# KiCad board 2x2RemotePanel.kicad_pcb (continued)
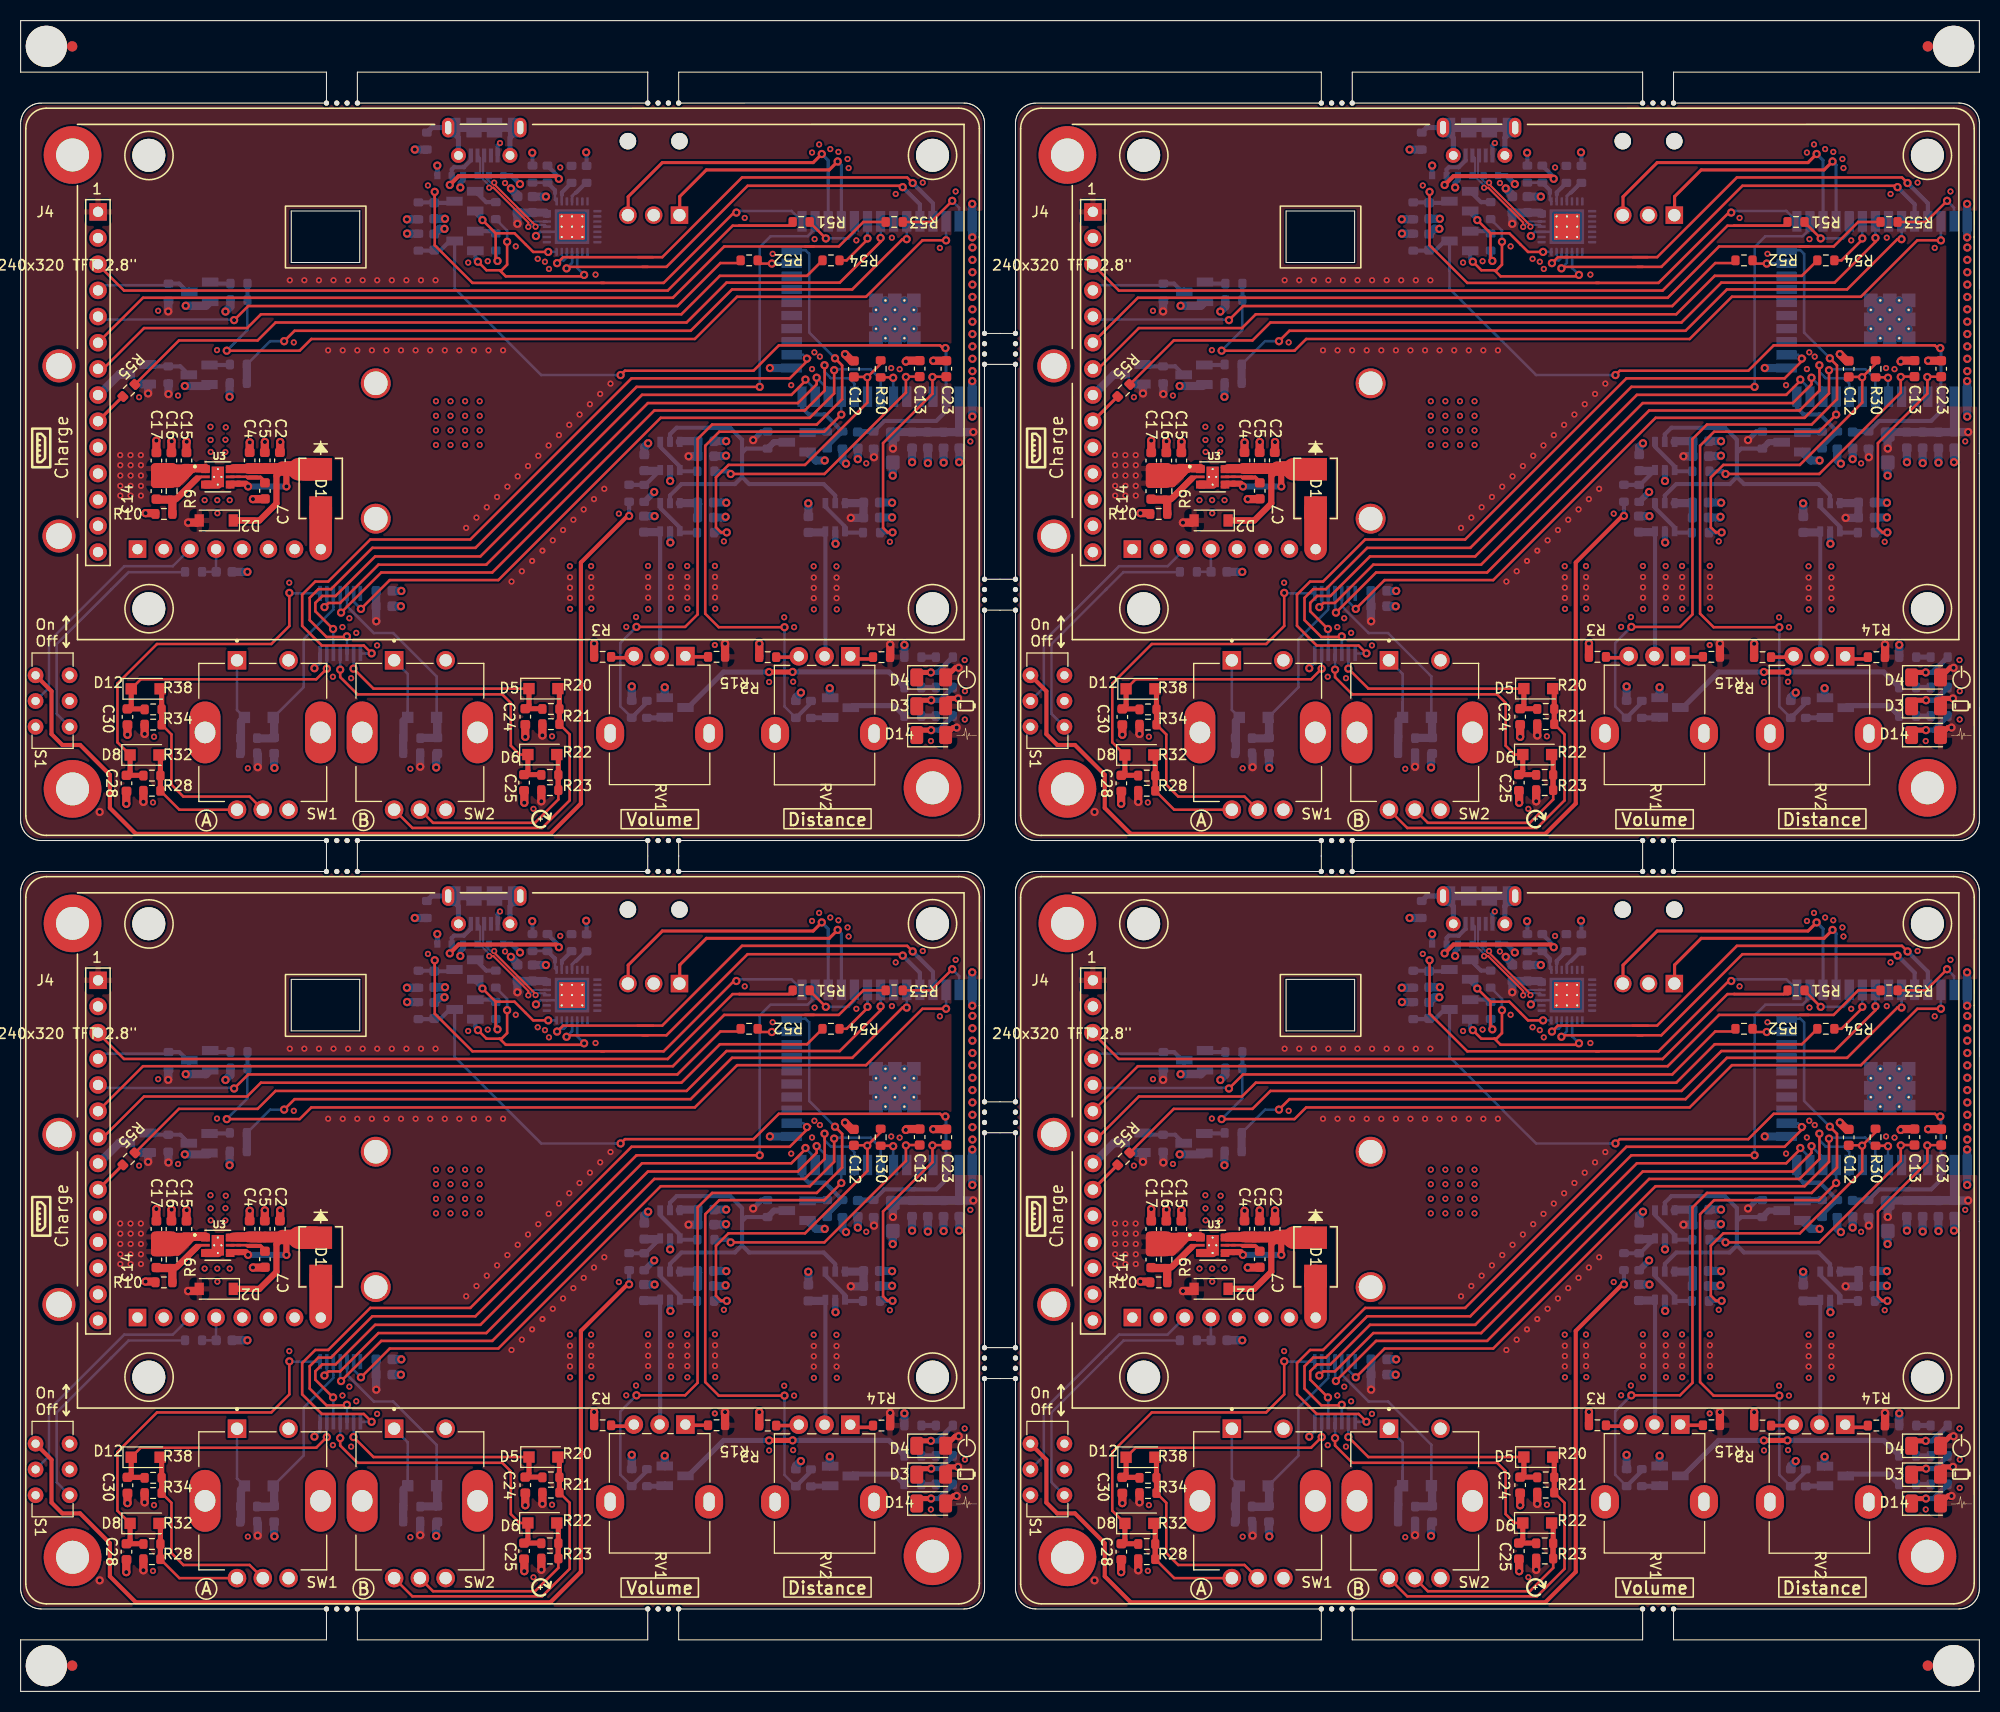
[diagram p0: board, top side]
## Routing (per net, layer and track width the routed paths; a pad name or vN(x,y) marks a point on that pad's centre or on a via; arc(x,y) is an arc through that point) (continued)
Board_0-+5V: length 4
  Top w0.25: 29.11,110.86 J1#4.8
  Top w2.2: D1#3.2 29.11,110.86
Board_0-/D+: length 10.5
  Top w0.2: v1(45.94,146.42) 45.94,146.27 49.95,142.26 v1(49.95,142.15)
  Bottom w0.2: J3#4.3 44.87,148.97 44.87,147.14 45.59,146.42 v1(45.94,146.42) ; v1(49.95,142.15) 50.13,142.33 50.86,142.33 U6#2.4
Board_0-/D-: length 11.4
  Top w0.2: v1(49.25,142.13) 49.25,142.55 45.87,145.93 v1(45.46,145.93)
  Bottom w0.2: U6#2.5 49.77,142.65 v1(49.25,142.13) ; D11.2 44.5,147.1 45.46,146.14 v1(45.46,145.93) ; J3#4.2 44.58,148.81 44.58,147.12 44.56,147.1
Board_0-ADC0: length 33.1
  Top w0.25: R30#2.1 83.43,128.84 v2(82.13,127.54) 82.1,127.57 ; 82.1,127.57 82.14,127.53 82.14,125.08 76.09,119.03 68.67,119.03 67.45,117.81 67.45,112.98 67.95,112.48 v2(68.5,112.48) 68.69,112.48 ; 82.1,127.57 C12#4.2
  Bottom w0.25: 68.48,112.46 v2(68.5,112.48) ; v2(82.13,127.54) 82.13,125.68 U7#2.9
  Bottom w0.4: R6#2.2 68.48,112.46
Board_0-ADC1: length 26.9
  Top w0.25: v2(85.88,127.57) 85.88,126.06 77.97,118.15 v2(68.88,118.15) ; v2(85.88,127.57) 85.86,127.58 ; v2(85.88,127.57) 85.91,127.6 C13.2
  Bottom w0.25: 68.83,118.1 v2(68.88,118.15) 68.88,118.17 ; U7#2.6 85.88,125.74 v2(85.88,127.57)
  Bottom w0.4: v2(68.88,118.15) 68.62,118.41 R7#4.2
Board_0-ADC2: length 22.2
  Top w0.25: v2(84.58,112.48) 84.1,112.48 83.66,112.92 83.66,121.15 88.45,125.94 v2(88.45,127.56) 88.48,127.59 C23#3.2
  Bottom w0.25: v2(88.45,127.56) 88.5,127.51 U7#2.4 ; 84.56,112.46 v2(84.58,112.48)
  Bottom w0.4: R16#3.2 84.56,112.46
Board_0-DTR: length 13.7
  Top w0.25: 46.08,141.51 47.91,141.51 49.72,139.7 v2(51.18,139.7) ; 46.08,141.51 46.08,139.01 v2(46.26,138.83) ; 46.08,141.51 v2(44.8,142.79)
  Bottom w0.25: v2(51.18,139.7) U6#2.28 ; 46.24,139.7 R45#3.1 ; Q5#4.2 44.11,143.49
  Bottom w0.4: 44.11,143.49 v2(44.8,142.79) ; v2(46.26,138.83) 46.1,138.99 R45#3.1
Board_0-EN_: length 79.9
  Top w0.25: v2(58.2,127.75) 58.62,128.17 71.09,128.17 73.55,130.63 89.19,130.63 89.68,130.14
  Top w0.3: v2(89.71,130.37) 89.68,130.34 89.68,130.14
  Bottom w0.25: 40.06,139.82 C35.2 ; v2(58.2,127.75) 50.5,127.75 42.1,136.15 Q6#3.3 41.63,140.76
  Bottom w0.3: v2(89.71,130.37) 89.77,130.31 U7#2.3 ; Q6#3.3 42.1,137.93
  Bottom w0.4: U7#2.3 89.77,124.24 88.83,123.3 86.38,123.3 ; C35.2 40.76,139.89 41.63,140.76 ; R48#3.2 40.06,139.82 ; 86.73,123.3 83.79,123.3 R26.2
  Bottom w0.5: 82.93,122.27 81.44,122.27
Board_0-Enc1A: length 72.7
  Top w0.25: v2(34.05,100.74) 33.29,101.5 29.22,101.5 27.31,103.41 27.31,106.44 28.58,107.71 29.84,107.71 33.92,111.79 43.62,111.79 59.26,127.43 74.61,127.43 76.58,129.4 76.32,129.4 v2(76.27,129.35)
  Bottom w0.25: U5#2.1 34.04,100.73 v2(34.05,100.74) ; v2(76.27,129.35) 75.9,129.72 U7#2.16
Board_0-Enc1A_: length 23.1
  Top w0.25: D5.1 34.23,97.32 v2(32.29,99.26)
  Top w0.5: R20.1 50.59,95.37 C24#3.1 49.32,95.73 D5.1
  Bottom w0.25: v2(32.29,99.26) 32.3,99.26 U5#2.2
Board_0-Enc1B: length 80.7
  Top w0.25: v2(31.65,102.39) 31.59,102.33 29.68,102.33 28.04,103.97 28.04,106.13 28.88,106.97 30.11,106.97 34.12,110.98 44.12,110.98 59.74,126.6 v2(71.69,126.6)
  Bottom w0.25: U7#2.26 77.07,141.94 76.35,141.22 72.74,141.22 71.69,140.17 v2(71.69,126.6) ; U5#2.3 31.66,102.38 v2(31.65,102.39)
Board_0-Enc1B_: length 29.8
  Top w0.25: D6.1 48.41,90.92 47.55,91.78 47.55,95.93 46.72,96.76 32.68,96.76 31,98.44 v2(31,99.16)
  Top w0.5: D6.1 49.21,89.35 C25#2.1 50.49,88.97 R22#3.1
  Bottom w0.25: v2(31,99.16) U5#2.4
Board_0-Enc2A: length 61.1
  Top w0.25: v2(77.22,127.49) 77.22,126.85 75.4,125.03 60.85,125.03 45.17,109.35 34.71,109.35 30.99,105.63 29.87,105.63 v2(29.47,105.23)
  Bottom w0.25: v2(29.47,105.23) 29.7,105.46 U5#2.9 ; U7#2.12 78.34,126.37 v2(77.22,127.49)
Board_0-Enc2A_: length 36.4
  Top w0.25: v2(26.07,106.61) 26.07,103.4 24.32,101.65 13.23,101.65 9.39,97.81 9.39,92.11 D8#3.1 ; 11.82,88.86 11.85,88.88
  Top w0.5: D8#3.1 10.62,89.25 C28#4.1 11.89,88.91 R28.1
  Bottom w0.25: v2(26.07,106.61) 26.11,106.57 U5#2.8
Board_0-Enc2B: length 64.3
  Top w0.25: v2(76.13,127.31) 76.13,127.2 74.76,125.83 60.28,125.83 44.6,110.15 34.39,110.15 30.55,106.31 29.26,106.31 28.59,105.64 28.59,104.82 v2(30.31,103.1)
  Bottom w0.25: v2(30.31,103.1) 30.34,103.07 U5#2.5 ; U7#2.13 77.07,126.37 v2(76.13,127.31)
Board_0-Enc2B_: length 26.9
  Top w0.25: v2(29.7,99.25) 28.68,98.23 11.66,98.23 D12#2.1
  Top w0.35: C30#2.1 10.39,95.33 11.97,95.33
  Top w0.5: C30#2.1 10.73,95.72 D12#2.1 ; C30#2.1 10.14,95.35 ; C30#2.1 11.98,95.35 R34#3.1
  Bottom w0.25: U5#2.6 v2(29.7,99.25)
Board_0-ESP32_RXD0: length 46.3
  Top w0.25: 59.88,139.19 62.24,139.19 69.98,146.93 85.99,146.93 v2(86.54,146.39) ; v2(52.04,138.61) 52.62,139.19 53.6,139.19 ; 61.34,139.19 53.21,139.19
  Bottom w0.25: v2(52.04,138.61) 52.31,138.88 52.69,138.88 52.99,139.18 U6#2.26
  Bottom w0.4: v2(86.54,146.39) 88.5,144.42 U7#2.35
Board_0-ESP32_TXD0: length 42.3
  Top w0.25: v2(85.57,145.99) 85.43,146.12 70.52,146.12 62.65,138.25 60.34,138.25 ; v2(52.96,138.1) 53.1,138.25 60.82,138.25
  Bottom w0.25: U6#2.25 53.49,138.64 v2(52.96,138.1)
  Bottom w0.4: U7#2.34 87.23,144.32 v2(85.57,145.99)
Board_0-GND: length 128.5
  Top w0.4: 17.71,117.24 17.71,117.01
  Top w0.8: C15#2.1 16.09,121.26 v2(16.11,121.28) ; v2(10.25,86.15) 10.25,87.34 C28#4.2 ; 71.66,100.31 v2(71.66,101.68) ; v2(14.65,121.33) 14.63,121.31 C16#3.1 ; 13.07,114.35 v2(12.12,114.35) ; C23#3.1 v2(88.53,129.14) ; 23.67,115.71 v2(22.54,115.71) ; 48.96,93.85 v2(48.96,92.64) ; v2(85.87,129.07) 85.95,129.15 C13.1 ; C17.1 v2(13.17,121.39) ; 55.63,100.33 v2(55.63,101.7) ; 48.86,87.35 v2(48.86,86.25) ; C30#2.2 v2(10.37,92.85) ; 25.18,120.21 v2(25.18,121.25) ; C12#4.1 80.63,129.12 v2(79.97,129.78) ; 19.17,117.12 17.91,117.12 ; C4#2.1 22.22,121.21 ; C5.1 23.69,121.25
  Bottom w0.25: U6#2.29 52.99,141.65 U6#2.3 50.39,141.65 v2(49.99,141.25) ; C6#2.1 60.86,120.02 ; R5.2 60.5,115.45 ; 40.12,142.91 40.03,142.91 ; 18.38,126.78 18.33,126.73
  Bottom w0.3: 18.43,126.73 18.38,126.78 ; v2(28.5,99.3) 29.04,99.84 U5#2.7 ; 20.3,126.78 20.25,126.73
  Bottom w0.4: v2(49.63,149.33) 49.66,149.31 49.66,148.08 ; J3#4.5 46.27,150.04 v1(46.5,150.27) ; v2(54.86,149.37) 54.9,149.33 R41#3.2
  Bottom w0.5: D10#2.1 47.63,147.1 v2(48.44,146.29) ; D9.1 v2(40.42,148.08) ; D11.1 42.92,146.66 42.65,146.39 v2(42.65,145.95)
  Bottom w0.6: 79.03,112.63 79.03,111.4 ; 63.01,118.71 v2(63.01,117.47) ; 60.5,115.45 v2(61.46,116.4) ; 63.01,112.76 63.01,111.52
  Bottom w0.8: 92.32,125.47 v2(92.32,127.17) ; R27#4.1 v2(38.24,149.64) ; U7#2.39_12 U7#2.39_14 U7#2.39_13 85.73,132.24 ; C3.1 v2(61.5,114.06) ; 24.59,90.95 24.59,89.66 v2(24.63,89.62) ; C6#2.1 60.5,120.76 v2(60.87,121.13) ; 83.89,132.24 U7#2.39_7 ; 83.89,132.24 U7#2.39_8 ; 83.89,132.24 U7#2.39_15 85.73,132.24 ; v2(78,119.46) 77.16,119.46 Q2#3.2 76.44,120.18 ; C31#2.1 v2(50.96,145.07) ; U7#2.39_10 U7#2.39_20 ; v2(92.32,123.72) 92.32,125.65 ; v2(40.31,89.66) 40.31,90.97 40.35,91.01 ; v2(68.43,119.92) 68.4,119.89 67.21,119.89 ; v2(41.12,141.94) 40.63,141.94 C35.1 ; v2(37.49,141.48) 37.5,141.47 R48#3.1 ; Q4.2 17.99,134.48 v2(16.02,134.48) ; 63.01,111.52 v2(63.03,111.5) ; R13#4.2 v2(85.73,101.56) ; 38.59,142.87 v2(37.48,142.87) ; v2(75.69,96.93) 75.22,96.46 75.22,96.41 ; 18.19,126.69 v2(15.93,126.69) ; C9.2 68.43,115.38 v2(68.45,115.36) ; 78.49,96.41 v2(78.49,97.36) ; C29.1 48.2,145.22 v2(47.56,145.86) ; C38.2 v2(41.17,142.92) ; U7#2.39_11 86.6,134.12 86.41,134.12 86.37,134.08 U7#2.39_21 ; 83.28,113.92 84.51,113.92 v2(84.53,113.94) ; 76.42,113.97 76.42,115.29 v2(76.4,115.3) ; C34.1 89.53,119.26 ; 85.73,132.24 U7#2.39_1 ; 74.11,128.43 72.74,128.43 ; U7#2.39_5 U7#2.39_18 U7#2.39_19 U7#2.39_17 ; C8#3.2 68.31,113.92 v2(68.39,113.99) ; C36#3.1 88,119.21 ; 92.32,142.82 v2(92.32,141.12) ; U7#2.39_9 83.89,134.08 U7#2.39_16 85.73,134.08 U7#2.39_3 ; 83.28,115.38 84.51,115.38 v2(84.53,115.36) ; v2(20.27,125.64) 20.27,126.95 ; v2(59.28,97.53) 59.28,97.53 R12#3.2 ; C33#3.1 91.06,119.31 ; v2(19.87,133.91) 20.36,134.4 R42#3.2 ; U7#2.38 v2(92.31,144.36) ; 79.03,111.4 v2(79.05,111.38) ; v2(80.07,119.15) 79.72,119.5 79.72,120.57 ; 84.6,119.36 v2(84.6,117.99) ; C1.2 v2(22,108.65) ; 35.99,105.31 v2(36.89,105.31) ; Q1#2.2 v2(62.48,97.45) ; 67.21,121.35 68.42,121.35 v2(68.44,121.33) ; C26.1 v2(81.21,119.59) ; C22.2 v2(36.93,106.8) ; C37#3.1 86.47,119.3
  vias: v1(11.49,125.6) v1(12.84,86.27) v1(12.94,92.65) v1(13.34,133.99) v1(15.27,125.76) v1(17.85,115.61) v1(18.42,122.73) v1(18.43,121.45) v1(18.44,120.29) v1(19.05,130.17) v1(19.08,115.61) v1(19.09,114.34) v1(19.9,122.68) v1(19.87,121.47) v1(19.86,120.28) v1(20.28,115.61) v1(22.04,89.59) v1(26.06,107.6) v1(26.5,130.92) v1(30.29,98.47) v1(31.22,103.29) v1(31.89,104.15) v1(32.06,98.33) v1(32.56,102.73) v1(34.58,101.51) v1(37.81,89.54) v1(39.51,146.15) v1(40.29,125.21) v1(40.29,123.8) v1(40.29,122.38) v1(40.29,120.97) v1(41.7,125.21) v1(41.7,123.8) v1(41.7,122.38) v1(41.7,120.97) v1(43.12,125.21) v1(43.12,123.8) v1(43.12,122.38) v1(43.12,120.97) v1(43.42,138.67) v1(44.53,125.21) v1(44.53,123.8) v1(44.53,122.38) v1(44.53,120.97) v1(45.31,138.8) v1(46.99,146.39) v1(48.03,140.24) v1(49.75,85.65) v1(50.16,139.03) v1(50.86,138.75) v1(51.25,138.05) v1(51.55,92.69) v1(52.35,147.89) v1(53.28,109.2) v1(53.3,105.06) v1(55.34,109.21) v1(55.37,105.08) v1(55.77,137.5) v1(58.03,114.3) v1(58.75,103.31) v1(59.7,104.26) v1(60.86,109.22) v1(60.88,105.06) v1(63.07,109.21) v1(63.1,105.06) v1(64.66,109.22) v1(64.68,105.06) v1(67.35,109.23) v1(67.38,105.08) v1(68.22,111.61) v1(70.24,143) v1(72.61,97.96) v1(72.95,139.52) v1(74.07,104.24) v1(74.75,126.77) v1(74.94,97.99) v1(75.03,103.28) v1(76.77,149.35) v1(76.77,128.33) v1(76.93,109.19) v1(76.95,105.01) v1(77.02,140.94) v1(77,129.96) v1(77.46,150.13) v1(77.53,129.54) v1(78.54,149.68) v1(79.14,109.18) v1(79.17,105.01) v1(79.33,149.41) v1(80.22,148.72) v1(80.32,147.84) v1(81.07,140.82) v1(82.03,119.18) v1(84.32,111.57) v1(84.45,128.43) v1(84.52,141.08) v1(84.89,145.32) v1(85.27,128.32) v1(87.51,146.43) v1(88.3,92.23) v1(89.17,140.09) v1(90.7,145.57) v1(91.58,100.09) v1(91.6,97.07) v1(91.59,94.32) v1(92.13,121.31) v2(22.23,121.22) v2(23.7,121.26) v2(72.69,128.43) v2(86.48,119.29) v2(88.01,119.21) v2(89.54,119.25) v2(91.04,119.29) v2(92.33,140.13) v2(92.33,138.93) v2(92.33,137.73) v2(92.33,136.53) v2(92.33,135.33) v2(92.33,134.13) v2(92.33,132.93) v2(92.33,131.73) v2(92.33,130.53) v2(92.33,129.33) v2(92.33,128.13) v3(67.34,101.55)
Board_0-IO0: length 51.2
  Top w0.25: 56.31,136.7 62.38,136.7 69.2,143.52 v2(69.43,143.52) ; v2(40.17,145.53) 40.17,140.35 43.82,136.7 56.61,136.7
  Bottom w0.25: v2(69.43,143.52) 69.58,143.67 74.79,143.67 U7#2.25 75.8,143.29 ; 40.07,144.52 C38.1 40.12,145.48 v2(40.17,145.53) ; 41.93,144.47 Q5#4.3
  Bottom w0.4: R47#4.1 40.07,144.52 ; C38.1 41.93,144.47
Board_0-LB: length 52.2
  Top w0.25: v2(74.1,103.28) 67.72,103.28 66.41,104.59 66.41,120.89 67.77,122.25 77.95,122.25 v2(79.61,123.91)
  Bottom w0.25: 75.21,94.79 75.52,94.79 ; U7#2.11 v2(79.61,123.91) 79.57,123.91 ; R29#2.1 74.1,95.58 v2(74.1,103.28) ; 76.67,95.94 R31#4.1
  Bottom w0.4: 75.52,94.79 76.67,95.94
Board_0-MCU_HB: length 69.2
  Top w0.25: v2(79,129.38) 79.69,128.69 79.69,125.41 77.23,122.95 67.08,122.95 65.67,121.54 65.67,104.52 64.46,103.31 v2(59.74,103.31)
  Bottom w0.25: v2(79,129.38) 76.5,131.88 76.5,139.51 76.14,139.88 U7#2.24 74.49,140.19 ; R11#2.1 60.75,95.97 ; v2(59.74,103.31) 58.18,101.75 58.18,95.59 R12#3.1
  Bottom w0.4: 60.75,95.97 R12#3.1 59.46,94.32
Board_0-Net-(C1-Pad1): length 3.6
  Bottom w0.25: R1#4.1 C1.1 18.96,108.67 J1#4.4
Board_0-Net-(C3-Pad2): length 14.1
  Bottom w0.25: 62.04,100.03 61.99,99.98 ; U1.3 61.94,112.59 ; U1.3 62.06,112.57 ; U1.3 62.04,112.59 ; U1.3 62.02,112.57 ; U1.3 61.98,112.53
  Bottom w0.4: U1.3 62.04,100.03
  Bottom w0.8: 60.63,112.51 61.83,112.51
Board_0-Net-(C6-Pad2): length 5.9
  Bottom w0.25: 60.68,117.28 R5.1 ; 62.04,118.84 U2.3 ; 61.73,118.23 61.38,117.87 ; 59.04,117.1 R4#2.2
  Bottom w0.4: U2.3 60.6,117.1 R5.1 59.04,117.1
  Bottom w0.8: 60.56,118.46 61.76,118.46
Board_0-Net-(C7-Pad2): length 6.8
  Top w0.25: 23.48,117.67 23.37,117.78 ; 23.25,117.74 22.17,117.74 ; 21.93,117.85 22.04,117.74 23.12,117.74 ; 21.31,117.88 20.39,117.88 ; 23.38,117.77 23.27,117.88 ; 23.26,117.88 22.18,117.88 ; 23.52,117.63 23.41,117.74 ; 22.95,117.88 21.87,117.88 ; 21.9,117.88 20.98,117.88
Board_0-Net-(C14-Pad1): length 8.9
  Top w0.23: 17.13,117.48 17.47,117.82 ; 17.02,117.89 17.51,117.89
  Top w0.6: 15.1,115.71 16.92,117.53 ; 15.27,115.88 17.09,117.7 ; 14.63,115.71 14.65,115.71
  Top w0.8: R10#4.2 14.72,114.28 14.72,115.62 ; 13.17,115.66 14.58,115.66
Board_0-Net-(C18-Pad2): length 14.3
  Bottom w0.25: 77.96,112.48 U4#2.3 ; 77.99,100.24 77.99,99.96 78.07,100.04
  Bottom w0.4: U4#2.3 78.07,100.04
  Bottom w0.8: 76.67,112.48 77.87,112.48
Board_0-Net-(D3-Pad1): length 4.3
  Top w0.25: 87.51,96.19 D3#4.1
  Top w0.5: v2(88.33,96.19) 87.51,96.19
  Bottom w0.5: R8.1 89.19,96.19 v2(88.33,96.19)
Board_0-Net-(D4-Pad1): length 4.3
  Top w0.25: 87.41,98.89 D4#4.1
  Top w0.5: v2(88.3,98.89) 87.41,98.89
  Bottom w0.5: R58#4.1 88.94,98.89 v2(88.3,98.89)
Board_0-Net-(D5-Pad2): length 30.3
  Top w0.25: R21#3.2 53.26,92.88 53.26,86.47 50.59,83.8 38,83.8 SW2#3.A
  Top w0.35: 52.16,95.32 52.18,95.35 ; 52.18,93.87 52.16,93.85
  Top w0.5: R21#3.2 52.27,97.17 D5.2
Board_0-Net-(D6-Pad2): length 20.8
  Top w0.25: SW2#3.C 40.01,84.3 49.9,84.3 52.16,86.56 R23.2
  Top w0.35: 52.07,88.9 52.08,88.89 52.08,87.37
  Top w0.5: D6.2 52.16,90.77 R23.2
Board_0-Net-(D8-Pad2): length 13.3
  Top w0.25: R32.2 15.4,85.57 SW1#3.A
  Top w0.35: 13.5,87.36 13.5,88.88
  Top w0.5: D8#3.2 13.56,90.74 R32.2
Board_0-Net-(D12-Pad2): length 21.1
  Top w0.25: SW1#3.C 22.22,86.84 15.79,86.84 14.63,88 14.63,92.88 R38#2.2
  Top w0.35: 13.62,93.83 13.62,95.33
  Top w0.5: D12#2.2 13.68,97.15 R38#2.2
Board_0-Net-(D14-Pad1): length 4.3
  Top w0.25: 87.41,93.29 D14#2.1
  Top w0.5: v2(88.32,93.29) 87.41,93.29
  Bottom w0.5: v2(88.32,93.29) 89.06,93.29 R40#4.1
Board_0-Net-(J3-Pad6): length 28.7
  Bottom w0.5: J3#4.6 J3#4.6 ; J3#4.6 J3#4.6 ; J3#4.6 J3#4.6 47.47,150.77 J3#4.6 ; J3#4.6 39.89,151.77 39.41,151.29 ; J3#4.6 J3#4.6 ; J3#4.6 42.47,150.77 J3#4.6
  Bottom w0.8: 43.34,151.77 45.84,151.77 43.94,151.77 ; 45.36,151.78 47.86,151.78 45.96,151.78 ; J3#4.6 J3#4.6 J3#4.6
Board_0-Net-(J4-Pad3): length 76.8
  Top w0.25: 69.7,142.26 69.72,142.25 74.94,142.25 74.96,142.26 ; 74.9,142.61 R51.2 74.53,142.25 69.07,142.25 62.77,135.95 10.03,135.95 7.51,138.47 J4#3.3 ; J4#3.3 7.64,138.38 ; J4#3.3 7.53,138.53
  Top w0.35: 7.64,138.38 7.72,138.47
Board_0-Net-(J4-Pad4): length 9.6
  Bottom w0.25: 14.2,136.47 8.01,136.47
  Bottom w0.3: 8.01,136.47 J4#3.4
  Bottom w0.4: R46#3.2 15.39,136.63 16.19,135.83 Q4.3
  Bottom w0.5: 14.2,136.47 R46#3.2 14.35,136.55
  Bottom w0.8: 16.35,135.85 Q4.3
Board_0-Net-(J4-Pad5): length 65
  Top w0.25: 20.68,132.93 20.71,132.96 v2(20.71,133.08) 22.08,134.45 63.71,134.45 67.88,138.62 69.59,138.62 R52#4.2
  Bottom w0.25: J4#3.5 7.8,133.14 20.65,133.14 v2(20.71,133.08)
Board_0-Net-(J4-Pad6): length 82.1
  Top w0.25: R53#2.2 81.75,142.61 79.37,140.23 76.08,140.23 ; J4#3.6 11.87,135.25 63.27,135.25 68.25,140.23 76.96,140.23
Board_0-Net-(J4-Pad7): length 75.2
  Top w0.25: J4#3.7 8.01,128.35 11.97,132.31 21.97,132.31 23.31,133.65 64.1,133.65 67.83,137.38 76.29,137.38 77.92,139.01 ; 7.9,128.35 7.56,128.35
Board_0-Net-(J4-Pad9): length 3.4
  Top w0.25: R55.2 9.91,125.67
  Top w0.3: 9.91,125.67 J4#3.9
Board_0-Net-(Q1-Pad1): length 1.8
  Bottom w0.25: 62.43,94.49 Q1#2.1
  Bottom w0.5: R11#2.2 62.43,94.49
  Bottom w0.8: 62.46,94.52 Q1#2.1
Board_0-Net-(Q1-Pad3): length 23.3
  Top w0.5: v2(74.88,98.94) 74.88,98.93 v2(72.6,98.93)
  Bottom w0.5: v2(74.88,98.94) 84.22,98.94 R57.2 ; Q1#2.3 64.75,95.49 68.19,98.93 v2(72.6,98.93)
Board_0-Net-(Q2-Pad1): length 1.9
  Bottom w0.25: 76.41,122.26 Q2#3.1
  Bottom w0.6: R18.2 76.41,122.26
Board_0-Net-(Q3-Pad1): length 2.1
  Bottom w0.25: R31#4.2 76.94,94.75 ; 78.3,94.75 Q3#3.1
  Bottom w0.5: 76.78,94.49 78.14,94.49
Board_0-Net-(Q3-Pad3): length 5.7
  Bottom w0.5: R59.2 84.71,95.67 80.73,95.67 Q3#3.3
Board_0-Net-(Q4-Pad1): length 2
  Bottom w0.25: 18.54,136.63 Q4.1
  Bottom w0.4: R43#2.2 18.54,136.63
Board_0-Net-(Q5-Pad1): length 2.4
  Bottom w0.4: R44#4.2 45.16,144.53 Q5#4.1
Board_0-Net-(Q6-Pad1): length 2.1
  Bottom w0.25: 45.88,141.71 R45#3.2
  Bottom w0.4: Q6#3.1 45.88,141.71
Board_0-Net-(Q7-Pad1): length 1.8
  Bottom w0.4: 20.25,128.73 18.43,128.73
Board_0-Net-(Q7-Pad3): length 4.2
  Bottom w0.4: 12.5,128.6 15.49,128.6 Q7#4.3
Board_0-Net-(R1-Pad2): length 24.5
  Bottom w0.25: 8.85,107 10.48,108.63 15.93,108.63 R1#4.2 ; 8.85,107 3.5,101.65 3.5,94.86 S1#4.6 ; 8.85,107 8.75,106.9 ; 4.75,93.9 4.75,93.42
Board_0-Net-(R2-Pad2): length 2.4
  Top w0.35: 64.49,99.98 64.91,100.4 R2#2.2
Board_0-Net-(R3-Pad1): length 2.3
  Top w0.35: 59.49,99.98 59.15,100.32 57.37,100.32
Board_0-Net-(R4-Pad1): length 96.1
  Top w0.25: v2(59.03,114.08) 58.87,114.08
  Top w0.4: 58.87,114.08 54.35,109.56 54.35,86.18 51.4,83.22 11.18,83.22 8.66,85.74 8.66,88.96 5.77,91.85 4.05,91.85 3,92.9 3,97.06 S1#4.1
  Bottom w0.4: R4#2.1 v2(59.03,114.08)
Board_0-Net-(R6-Pad1): length 5.2
  Bottom w0.25: 63.94,112.97 U1.1 64.07,112.46 ; U1.4 62.04,114.87
  Bottom w0.4: 62.04,114.87 63.94,112.97 ; R6#2.1 64.07,112.46
Board_0-Net-(R7-Pad1): length 5.3
  Bottom w0.25: 63.94,118.89 U2.1 64.06,118.41 ; U2.4 62.04,120.79
  Bottom w0.4: R7#4.1 64.06,118.41 ; 62.04,120.79 63.94,118.89
Board_0-Net-(R13-Pad1): length 1.4
  Bottom w0.5: R13#4.1 R58#4.2
Board_0-Net-(R14-Pad2): length 2.4
  Top w0.35: R14#3.2 82.51,100.2 80.73,100.2 80.49,99.96
Board_0-Net-(R15-Pad1): length 2.4
  Top w0.35: 75.49,99.96 75.07,100.38 R15.1
Board_0-Net-(R16-Pad1): length 5.3
  Bottom w0.25: U4#2.4 78.07,114.95 ; 79.97,113.05 U4#2.1 80.09,112.46
  Bottom w0.4: 78.07,114.95 79.97,113.05 ; R16#3.1 80.09,112.46
Board_0-Net-(R30-Pad2): length 3.1
  Top w0.25: R30#2.2 84.6,127.53 v2(84.64,127.49)
  Bottom w0.25: v2(84.64,127.49) 84.64,125.71 U7#2.7
Board_0-Net-(R35-Pad1): length 3.6
  Bottom w0.25: U6#2.8 51.84,144.75 51.84,145.38 ; R37.1 R35#3.1
  Bottom w0.4: R35#3.1 51.84,145.69 51.84,145.38
Board_0-Net-(R39-Pad2): length 2.3
  Bottom w0.25: R39#4.2 53.36,146.33 ; 52.51,145.24 52.49,145.22 U6#2.9
  Bottom w0.4: 52.51,145.24 52.51,145.48 R39#4.2
Board_0-Net-(R40-Pad2): length 1.4
  Bottom w0.5: R59.1 R40#4.2
Board_0-Net-(R41-Pad1): length 2.5
  Bottom w0.25: 54.9,146.41 54.8,146.41 ; U6#2.11 53.49,145.12 ; 53.87,145.45 53.82,145.45
  Bottom w0.3: 53.82,145.45 53.49,145.12
  Bottom w0.4: 53.87,145.45 54.83,146.41 54.8,146.41
Board_0-Net-(R57-Pad1): length 1.4
  Bottom w0.5: R57.1 R8.2
Board_0-OA_LP: length 8.2
  Bottom w0.25: R18.1 78.24,120.78
  Bottom w0.4: 78.24,120.78 R19.1 78.04,123.94 76.44,123.94 75.8,124.58 U7#2.14
Board_0-PD#: length 38.6
  Bottom w0.25: 69.98,117.86 69.98,118.94 ; 69.99,121.47 69.99,120.21 ; 69.72,121.74 69.98,121.48
  Bottom w0.4: 69.98,121.48 69.98,117.86 ; 69.98,117.86 69.29,117.17 64.1,117.17 62.99,116.06 U1.5 ; 69.98,117.86 70.67,117.17 77.9,117.17 79.02,116.05 U4#2.5 ; R17#3.2 70.39,120.61 69.99,120.21 ; 69.99,121.47 68.82,122.64 63.63,122.64 62.99,122 U2.5
  Bottom w0.6: Q2#3.3 73.08,121.24 R17#3.2
Board_0-RTS: length 20.4
  Top w0.25: v2(44.36,138.75) 45.19,137.92 46.47,137.92 ; 46.47,137.92 46.65,137.92 47.19,138.46 v2(47.19,140.69) ; 46.47,137.92 47.06,137.33 54.52,137.33 v2(54.66,137.47)
  Bottom w0.25: U6#2.24 53.99,138.14 v2(54.66,137.47) ; R44#4.1 47.19,141.77 v2(47.19,140.69)
  Bottom w0.4: v2(44.36,138.75) 44.12,139 Q6#3.2
Board_0-RX2: length 24
  Top w0.3: 63.94,143.75 63.94,145.08 66.52,147.66 78.44,147.66 v2(79.26,148.48)
  Bottom w0.3: U7#2.28 79.61,148.13 v2(79.26,148.48)
Board_0-Sel1: length 65.3
  Top w0.25: v2(33.01,105.06) 35.81,107.85 46.34,107.85 62.09,123.6 76.55,123.6 78.92,125.97 v2(78.92,128.22)
  Bottom w0.25: v2(33.01,105.06) 32.3,105.77 U5#2.13 ; U7#2.8 83.42,127.35 82.45,128.32 79.02,128.32 v2(78.92,128.22)
Board_0-Sel1_: length 12.1
  Bottom w0.25: 37.55,96.03 D7#2.2 37.55,98.75 SW2#3.1
  Bottom w0.35: R24.2 37.11,92.5 R25#2.1
  Bottom w0.8: 37.11,91.11 37.11,92.59 ; 37.14,92.64 37.14,94.19
Board_0-Sel1_Filt: length 19.8
  Bottom w0.25: D7#2.1 40.35,98.5 36.14,102.71 34.26,102.71 31.66,105.31 U5#2.12
  Bottom w0.8: 40.41,94.26 40.41,92.71 ; 40.35,92.56 40.33,92.54 38.89,92.54
Board_0-Sel2: length 66.4
  Top w0.25: v2(77.98,128.7) 77.99,128.69 77.99,126.24 76.06,124.31 61.47,124.31 45.75,108.59 34.98,108.59 v2(31.09,104.7)
  Bottom w0.25: v2(31.09,104.7) 31,104.78 U5#2.11 ; v2(77.98,128.7) 77.98,128.06 78.59,127.45 80.34,127.45 80.88,126.91 U7#2.10 80.88,124.73
Board_0-Sel2_: length 10.4
  Bottom w0.25: SW1#3.1 20.99,95.24 D13#4.2
  Bottom w0.35: 21.35,91 21.35,92.51 21.37,92.52
  Bottom w0.8: 21.38,91.02 21.38,92.5 ; 21.38,92.6 21.38,94.15
Board_0-Sel2_Filt: length 17.6
  Bottom w0.25: D13#4.1 27.45,97.46 27.45,102.11 30.34,105 30.34,105.27 U5#2.10
  Bottom w0.8: 23.05,92.5 24.6,92.5 ; 24.6,94.22 24.6,92.67
Board_0-TFT_CS~: length 6.3
  Top w0.25: R51.1 76.55,142.58 v2(78.11,141.01)
  Bottom w0.25: v2(78.11,141.01) 80.31,141.01 80.88,141.58 U7#2.29
Board_0-TFT_DC: length 3.4
  Top w0.25: R52#4.1 71.81,138.57 v2(72.88,138.57)
  Bottom w0.25: U7#2.23 72.91,138.61 v2(72.88,138.57)
Board_0-TFT_LED: length 3.6
  Bottom w0.8: Q8#2.3 9.57,127.83 7.56,125.81
Board_0-TFT_MISO: length 80
  Top w0.25: v2(83.42,141.06) 83.42,140.68 79.46,136.72 68.47,136.72 64.6,132.85 24.73,132.85 22.99,131.11 15.36,131.11 R55.1
  Bottom w0.25: U7#2.31 v2(83.42,141.06)
Board_0-TFT_MOSI: length 7.9
  Top w0.25: R53#2.1 88.32,142.61 v2(90.37,144.66)
  Bottom w0.25: v2(90.37,144.66) 91.04,143.99 U7#2.37
Board_0-TFT_ON/PWM_BL_CTRL: length 74.6
  Top w0.25: v2(85.95,140.94) 85.55,140.94 80.67,136.06 69.01,136.06 65,132.05 26.58,132.05 v2(25.56,131.04)
  Bottom w0.25: v2(25.56,131.04) 24.21,131.04 R50#2.1 ; v2(85.95,140.94) 85.96,140.95 U7#2.33
  Bottom w0.35: 21.95,126.78 R50#2.1
  Bottom w0.8: R50#2.1 R49.1
Board_0-TFT_RST: length 83.4
  Top w0.25: v2(20,130.12) 27.07,130.12 28.2,131.25 65.4,131.25 69.5,135.35 82.01,135.35 87.48,140.82 v2(89.77,140.82) 89.77,140.82
  Bottom w0.25: v2(89.77,140.82) 89.77,140.83 U7#2.36 ; v2(20,130.12) 22.01,132.12 R42#3.1
  Bottom w0.4: R42#3.1 R43#2.1
Board_0-TFT_SCK: length 5.3
  Top w0.25: v2(82.15,141.01) 82.15,140.91 80.12,138.88 R54.1
  Bottom w0.25: U7#2.30 v2(82.15,141.01)
Board_0-TX2: length 28.6
  Top w0.3: 58.94,143.75 58.94,145.06 62.25,148.37 76.88,148.37 v2(77.71,149.21)
  Bottom w0.3: v2(77.71,149.21) 78.34,148.58 U7#2.27
Board_0-VBAT: length 24.2
  Top w0.25: 1.9,96.15 1.45,96.15
  Bottom w0.25: J1#4.3 14.76,109.2 10.05,109.2 2.75,101.9 2.75,97.41 S1#4.2
Board_0-VBUS: length 17.4
  Top w0.4: v2(52.21,146.8) 51.95,147.06 42.49,147.06 v2(41.63,146.2)
  Bottom w0.25: J3#4.1 43.67,148.59 ; 41.77,147.65 42.04,147.92
  Bottom w0.4: 51.11,148.08 52.21,146.97 v2(52.21,146.8) ; 43.67,148.59 43,147.92 42.04,147.92 41.82,147.7 41.82,146.39 v2(41.63,146.2)
Board_1-+3V3: length 86.5
  Top w0.25: 109.67,117.31 C17#4.2 ; 111.13,117.26 C16#4.2 ; D3#2.2 186.23,96.1
  Top w0.5: D4#2.2 187.16,99.34 v2(187.5,99.34) ; D14.2 186.96,93.54 v2(187.3,93.54) ; 186.23,96.1 186.5,96.36 v2(187.44,96.36) ; 114.6,118.51 114.6,118.74 ; 114.61,118.54 114.61,118.77
  Top w0.8: 114.02,118.72 113.28,118.72 113.24,118.68 113.04,118.68 ; R21.1 v2(147.12,92.78) ; R23#4.1 v2(147.02,86.39) ; v2(108.54,92.93) 108.54,93.82 R38.1 ; 111.58,118.68 113.04,118.68 ; 113.04,118.68 112.99,118.63 ; 114.45,118.72 113.71,118.72 ; 109.54,117.21 111,117.21 ; C16#4.2 C17#4.2 ; 164.84,100.43 v2(164.84,101.68) ; 111.1,117.31 109.64,117.31 ; 114.32,118.72 113.58,118.72 ; D2#4.2 113.62,113.43 v2(112.75,113.43) ; 109.55,117.22 109.55,118.68 ; 111.27,117.55 112.32,118.59 ; 111.15,118.01 109.69,118.01 ; 109.55,117.25 109.55,118.71 ; 109.75,117.21 111.21,117.21 ; 180.86,100.34 180.86,101.59 ; 111.01,118.81 109.55,118.81 ; 111.22,118.39 112.68,118.39 ; 112.12,117.66 113.15,118.7 ; R32#2.1 v2(108.41,86.34) ; 112.76,118.31 111.71,117.26 111.13,117.26 ; 111.21,117.3 111.21,118.76 ; 111.26,118.81 109.8,118.81
  Bottom w0.25: 147.41,143.52 U6.7 ; 181.11,120.63 v2(181.12,120.62) ; 110.82,134.95 R46#4.1 ; 109,126.6 108.82,126.78
  Bottom w0.4: 147.74,143.55 147.74,143.23
  Bottom w0.5: v2(167.56,121.44) 168.38,122.26 R17#2.1
  Bottom w0.8: 147.49,143.42 147.52,143.42 ; U1#4.6 162.15,115.32 162.21,115.26 162.21,113.99 ; U2#3.6 160.51,121.33 C11.1 162.21,119.88 C10.1 v2(161.3,119.87) ; 176.5,115.32 178.21,115.32 ; C22#4.1 130.99,103.88 v2(131,103.86) ; 179.28,120.59 v2(179.28,119.78) ; 187.54,122.54 U7#3.2 ; v2(144.69,142.43) 144.7,142.44 C29#3.2 C31#4.2 147.41,143.52 ; 181.32,122.22 185.91,122.22 ; 178.31,113.89 v2(177.04,113.89) ; C37#4.2 187.56,122.22 ; C20#3.1 C19.1 ; R24#3.1 v2(135.27,89.74) ; 184.33,122.22 v2(188.92,122.22) ; 108.87,126.88 v2(108.87,125.97) ; v2(110.82,133.93) 110.82,134.95 ; v2(110.84,125.91) 110.84,126.93 ; C39#2.1 181.11,120.63 ; 119.5,91 v2(119.5,89.7)
  vias: v1(106.16,119.98) v1(106.17,119) v1(106.17,118) v1(106.17,117) v1(106.17,116.05) v1(107.16,119.98) v1(107.17,119) v1(107.17,118) v1(107.17,117) v1(107.17,116.05) v1(108.16,119.98) v1(108.17,119) v1(108.17,118) v1(108.17,117) v1(108.17,116.05) v1(122.61,136.95) v1(124.03,136.95) v1(125.44,136.95) v1(126.34,130.15) v1(126.86,136.95) v1(127.75,130.15) v1(128.27,136.95) v1(129.16,130.15) v1(129.68,136.95) v1(130.58,130.15) v1(131.1,136.95) v1(131.99,130.15) v1(132.51,136.95) v1(133.41,130.15) v1(133.93,136.95) v1(134.82,130.15) v1(135.34,136.95) v1(136.23,130.15) v1(136.75,136.95) v1(137.65,130.15) v1(139.06,130.15) v1(139.72,112.92) v1(140.48,130.15) v1(140.72,113.92) v1(141.72,114.92) v1(141.89,130.15) v1(142.72,115.92) v1(143.3,130.15) v1(143.72,116.92) v1(144.12,107.71) v1(144.72,117.92) v1(145.12,108.71) v1(145.72,118.92) v1(146.72,119.92) v1(147.72,120.92) v1(148.12,111.71) v1(148.72,121.92) v1(149.12,112.71) v1(149.72,122.92) v1(149.79,108.12) v1(149.79,107.12) v1(149.79,106.12) v1(150.12,113.71) v1(150.72,123.92) v1(151.12,114.71) v1(151.72,124.92) v1(151.85,108.14) v1(151.85,107.14) v1(151.85,106.14) v1(152.12,115.71) v1(152.72,125.92) v1(153.12,116.71) v1(153.72,126.92) v1(157.37,108.15) v1(157.37,107.15) v1(157.37,106.15) v1(159.58,108.15) v1(159.58,107.15) v1(159.58,106.15) v1(161.17,108.15) v1(161.17,107.15) v1(161.17,106.15) v1(163.86,108.17) v1(163.86,107.17) v1(163.86,106.17) v1(173.44,108.1) v1(173.44,107.1) v1(173.44,106.1) v1(175.65,108.1) v1(175.65,107.1) v1(175.65,106.1) v2(104.17,85.35) v2(180.85,101.6) v3(146.12,109.71) v3(147.12,110.71)
